# Altium PCB 1010829PA_HVFlyback_GD_Testboard.PcbDoc (part 1 of 2)
Units mm, origin at the board's own origin, x right, y up, seen from the top; angles counter-clockwise.
Board outline 180 x 150 mm, 2 copper layers (Top Layer, Bottom Layer), stack 1.57 mm thick; 196 components, 91 nets, 468 pads, 191 vias.
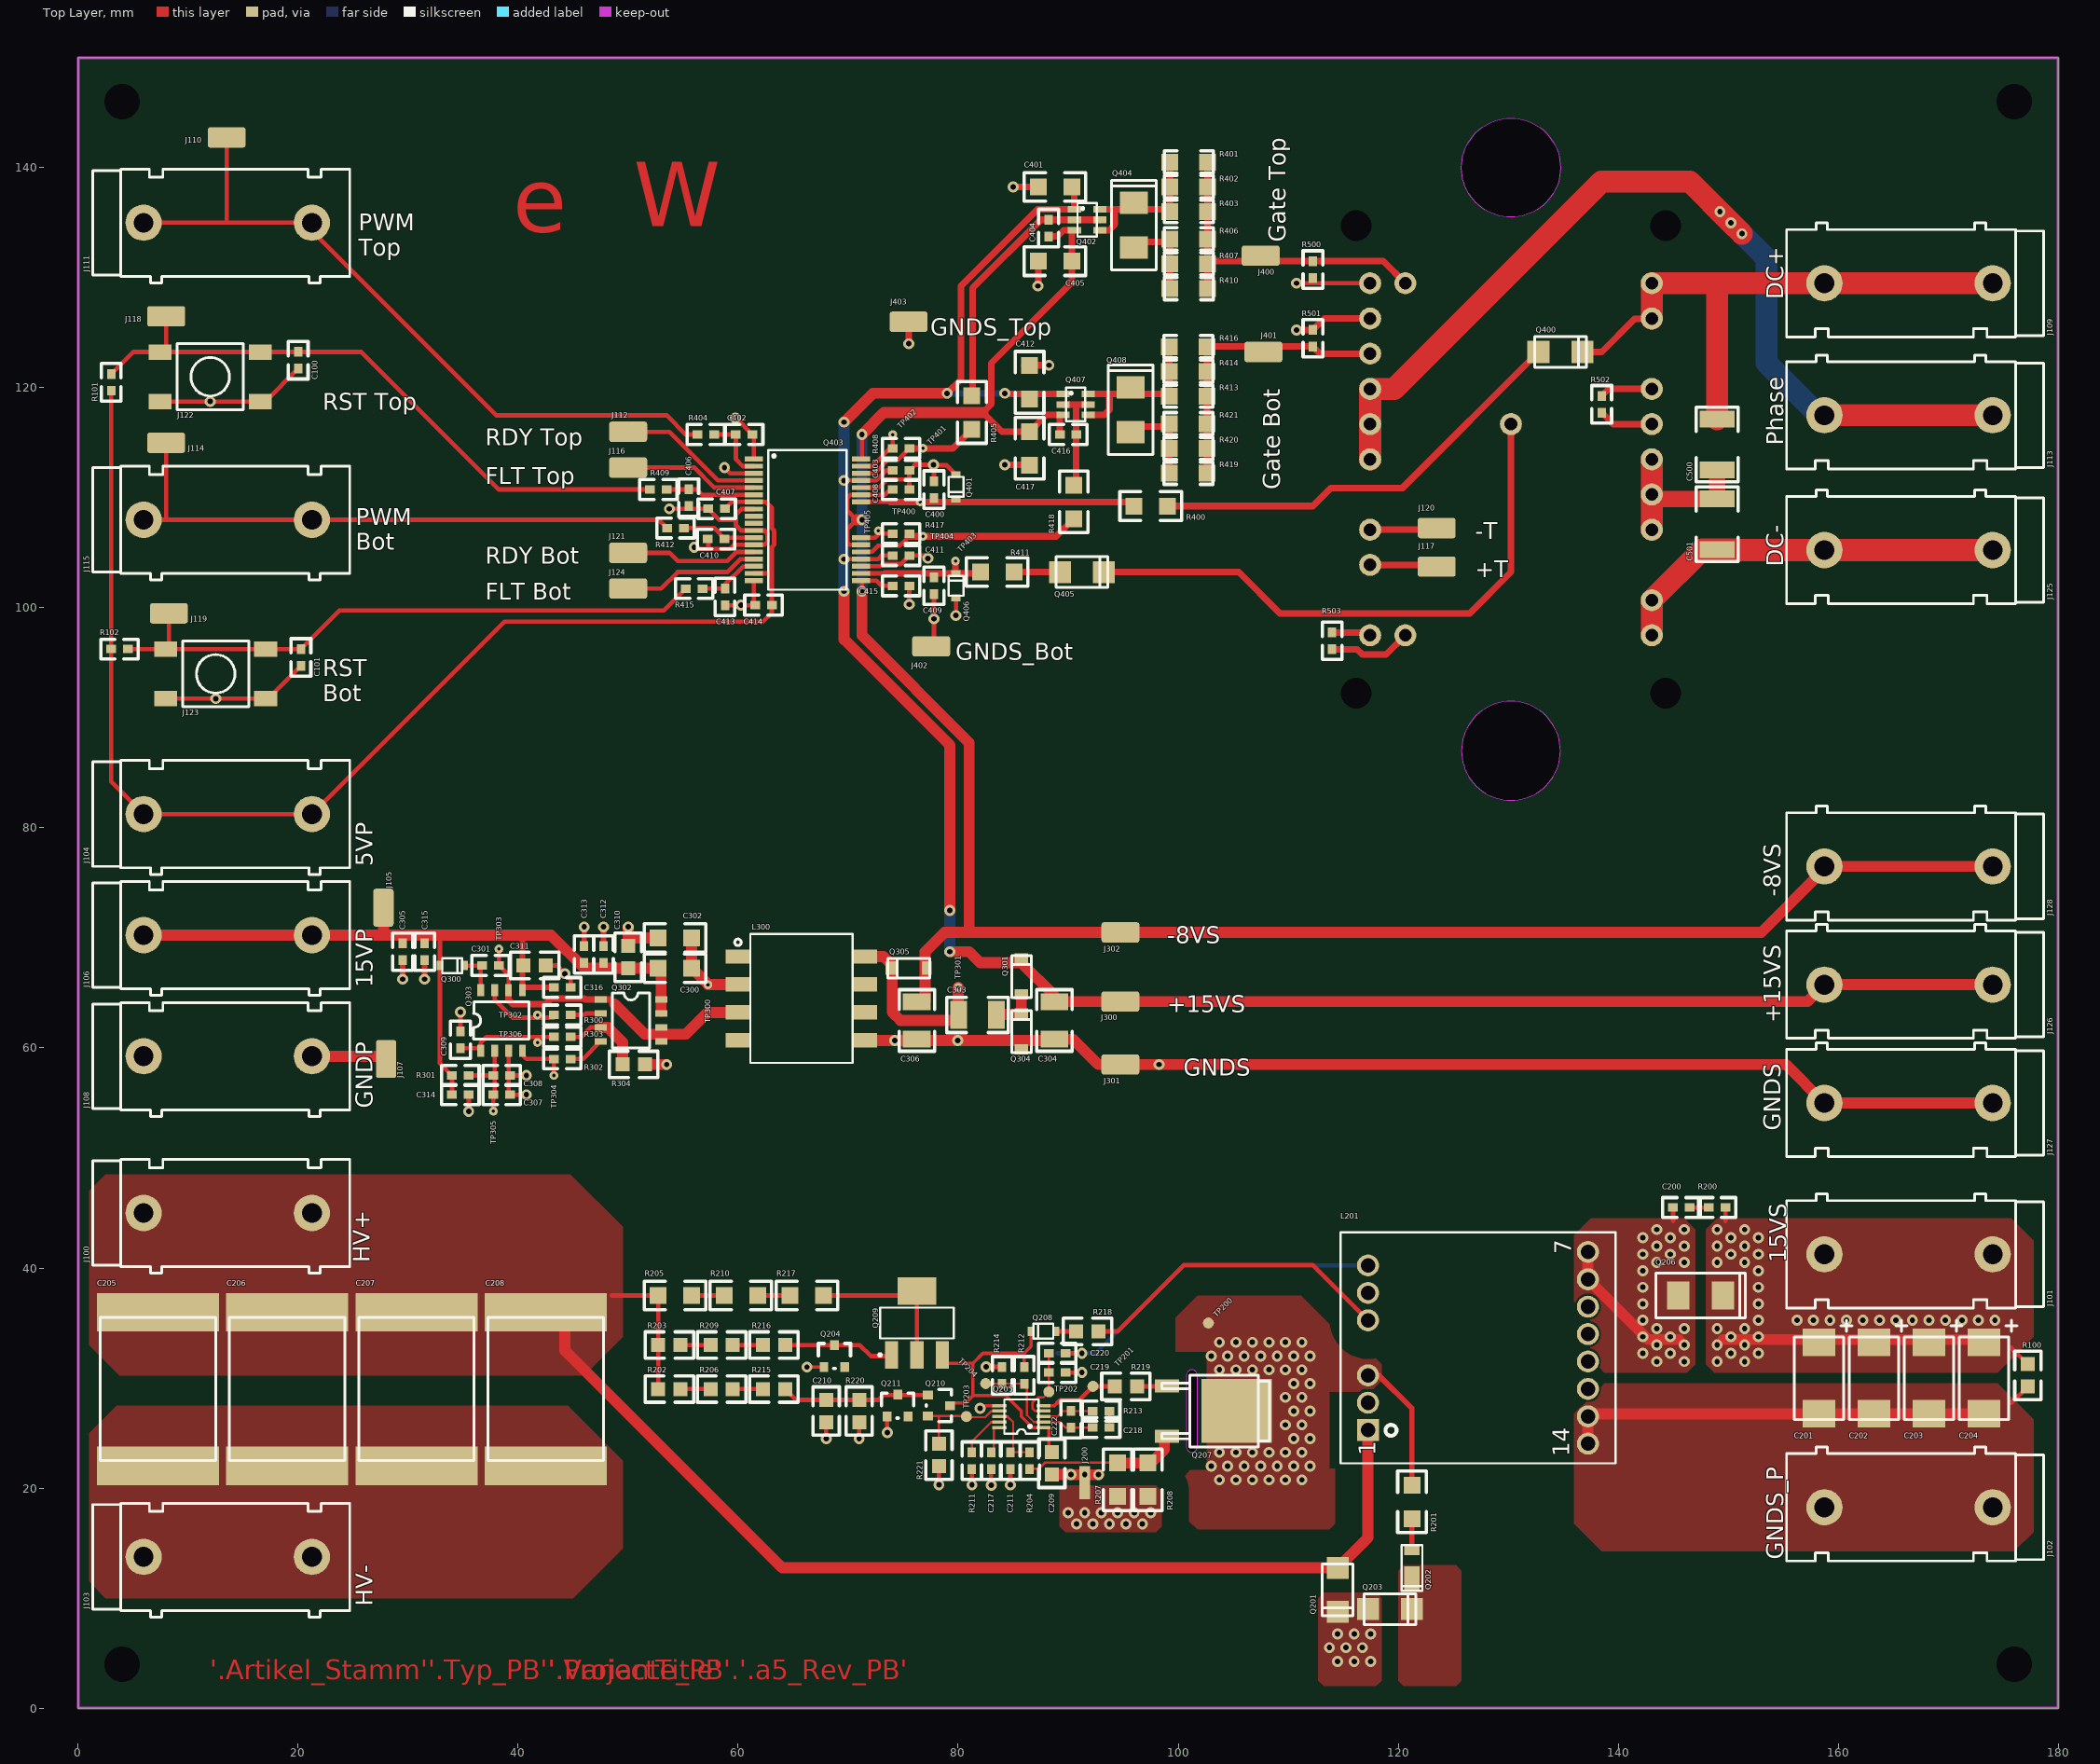
[diagram p0: Top Layer view]
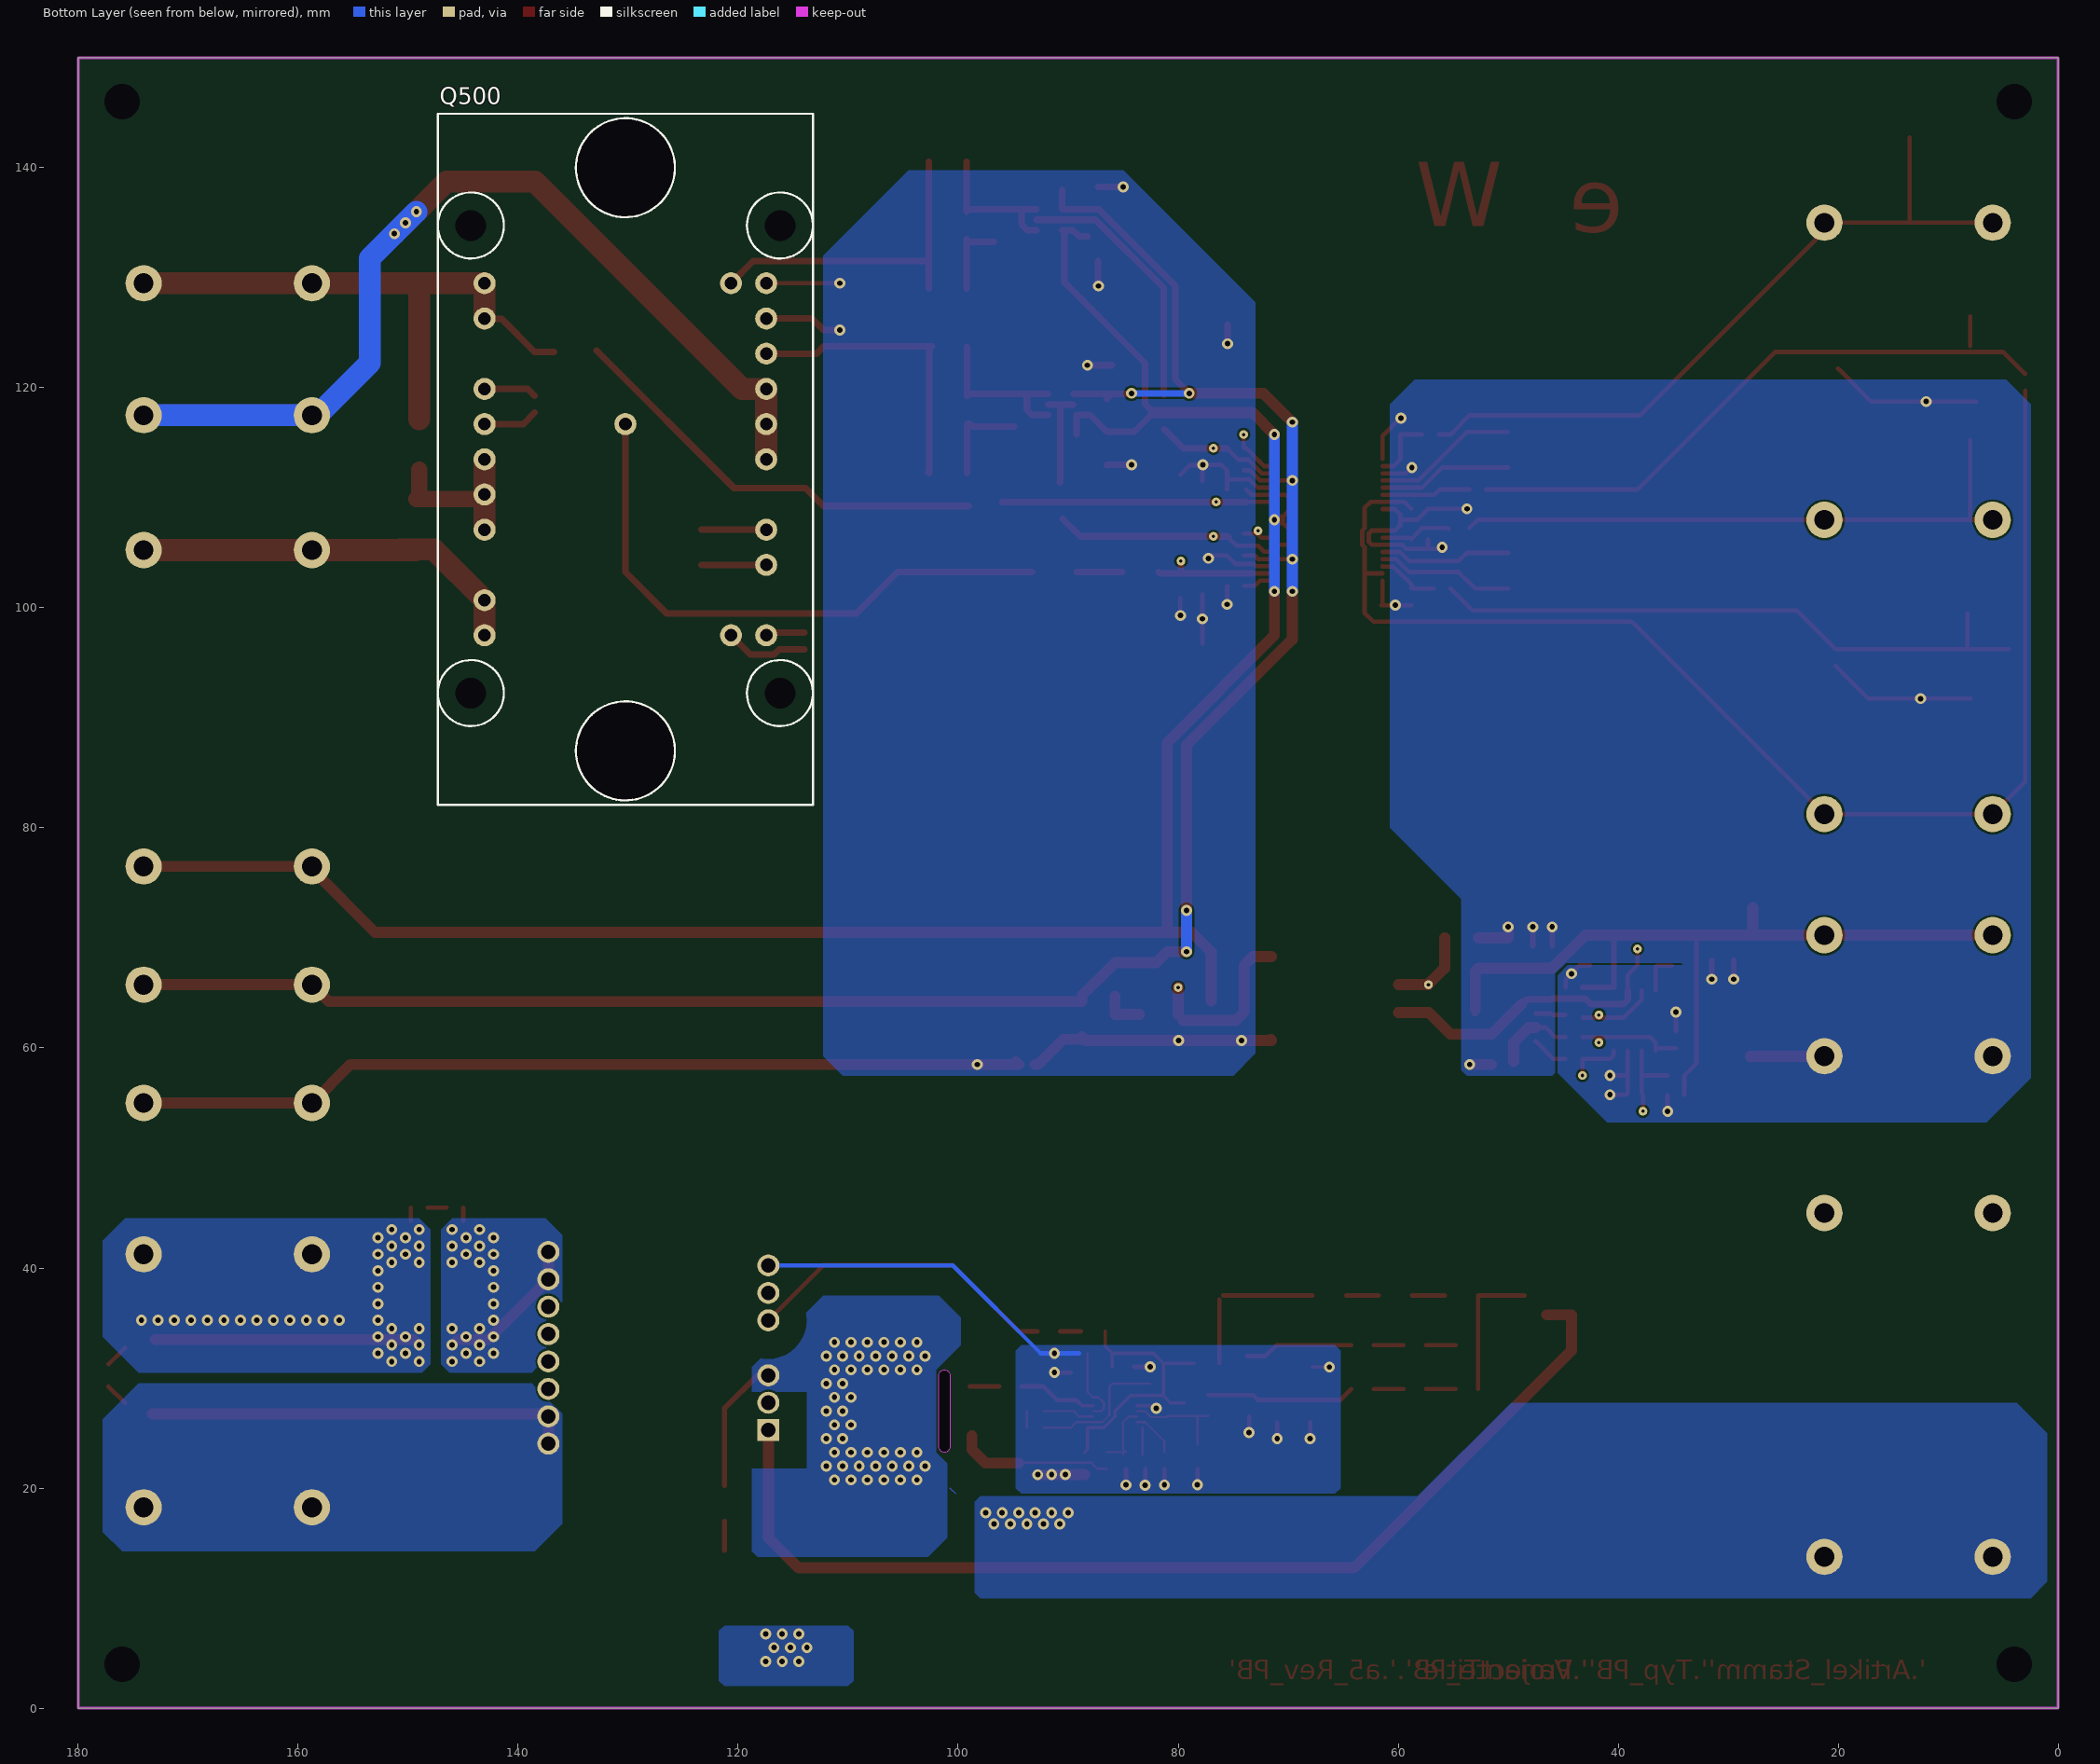
[diagram p1: Bottom Layer view, seen from below]
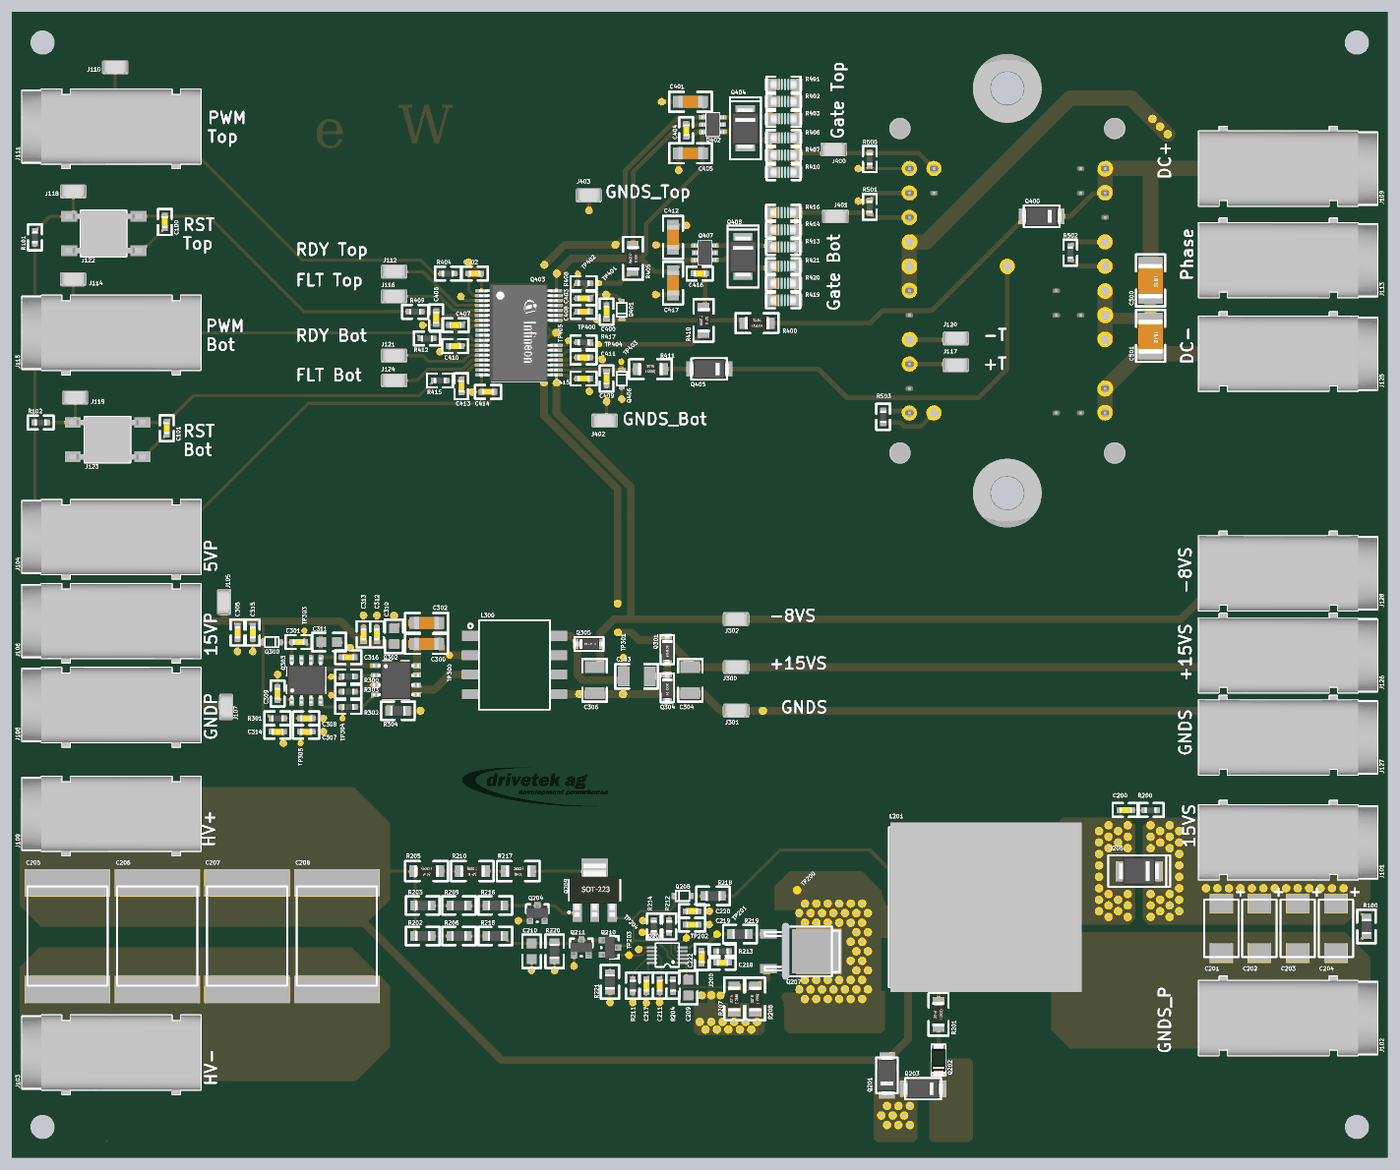
[diagram p3: 3D render of the assembled board from above, using the file's embedded part models]

## Layer stack, top to bottom
Top Solder Mask: solder mask 0.01, Solder Resist, Dk 3.5
Top Layer: signal copper 0.035
Dielectric1: core 1.5, FR-4, Dk 4.2
Bottom Layer: signal copper 0.035
Bottom Solder Mask: solder mask 0.01, Solder Resist, Dk 3.5

## Board outline
0,0 0,150 180,150 180,0
cut-out: 100.75,23.75 ccw(c101.25,23.75) 101.75,23.75 101.75,30.25 ccw(c101.25,30.25) 100.75,30.25

## Design rules (kind name [scope] priority, off if disabled: settings)
Clearance "Switching Node" [(InNetClass('HV') or InNetClass('DC-') or InNetClass('DC+') or InNetClass('DC/2') or InNetClass('SEC_GD')) and (ObjectKind = 'Pad') And (Component = 'Q207') vs (ObjectKind = 'Pad') And (Component = 'Q207')] p1: gap=2 ignorepadtopadclearanceinfootprint=FALSE except(0: Arc-Hole Track-Hole SMDPad-Hole THPad-Hole Via-Hole Fill-Hole Poly-Hole Region-Hole Text-Hole) // 03_PG-TO252-3-11
Clearance "AC pin exception" [InNetClass('AC') vs InNetClass('AC-u')] p2: gap=0.5 ignorepadtopadclearanceinfootprint=FALSE except(0: Arc-Hole Track-Hole SMDPad-Hole THPad-Hole Via-Hole Fill-Hole Poly-Hole Region-Hole Text-Hole)
Clearance "AC pin" [InNetClass('AC') vs InAnyNet and not( InNetClass('AC-u') or InNetClass('SEC_GD'))] p3: gap=2.5 ignorepadtopadclearanceinfootprint=FALSE except(0: Arc-Hole Track-Hole SMDPad-Hole THPad-Hole Via-Hole Fill-Hole Poly-Hole Region-Hole Text-Hole)
Clearance "X_1 HV_SW <-> HV" [(InNetClass('HV') or InNetClass('DC-') or InNetClass('DC+')) and not InNetClass('HV_SW-u') vs InNetClass('HV_SW')] p4: gap=2.5 ignorepadtopadclearanceinfootprint=FALSE except(0: Arc-Hole Track-Hole SMDPad-Hole THPad-Hole Via-Hole Fill-Hole Poly-Hole Region-Hole Text-Hole)
Clearance "X - HV <-> LV" [InNetClass('HV') or InNetClass('DC-') or InNetClass('DC+') or InNetClass('DC/2') or InNetClass('SEC_GD') vs InAnyNet and not( InNetClass('HV') or InNetClass('DC-') or InNetClass('DC+') or InNetClass('DC/2') or InNetClass('SEC_GD') or InNetClass('AC') )] p5: gap=2.5 ignorepadtopadclearanceinfootprint=FALSE except(0: Arc-Hole Track-Hole SMDPad-Hole THPad-Hole Via-Hole Fill-Hole Poly-Hole Region-Hole Text-Hole)
Clearance "E - DC+ <-> DC-" [InNetClass('DC+') vs InNetClass('DC-')] p6: gap=2.5 ignorepadtopadclearanceinfootprint=FALSE except(0: Arc-Hole Track-Hole SMDPad-Hole THPad-Hole Via-Hole Fill-Hole Poly-Hole Region-Hole Text-Hole)
Clearance "G - DC+ <-> AC" [InNetClass('DC+') or InNetClass('DC-') vs InNetClass('AC')] p7: gap=2.5 ignorepadtopadclearanceinfootprint=FALSE except(0: Arc-Hole Track-Hole SMDPad-Hole THPad-Hole Via-Hole Fill-Hole Poly-Hole Region-Hole Text-Hole)
Clearance "F - DC/2 <-> DC+/-" [InNetClass('DC+') or InNetClass('DC-') vs InNetClass('DC/2')] p8: gap=2.5 ignorepadtopadclearanceinfootprint=FALSE except(0: Arc-Hole Track-Hole SMDPad-Hole THPad-Hole Via-Hole Fill-Hole Poly-Hole Region-Hole Text-Hole)
Clearance Clearance_Via [IsVia vs IsPad] p9: gap=0.2 ignorepadtopadclearanceinfootprint=FALSE except(0: Arc-Hole Track-Hole SMDPad-Hole THPad-Hole Via-Hole Fill-Hole Poly-Hole Region-Hole Text-Hole) // Give Clearance for Same Net Via / Pads to prevent solder removal due to missing Resist
Clearance "Clearance Testpoint" [TestpointBottom vs TestpointBottom] p10: gap=1.5 ignorepadtopadclearanceinfootprint=FALSE except(0: Arc-Hole Track-Hole SMDPad-Hole THPad-Hole Via-Hole Fill-Hole Poly-Hole Region-Hole Text-Hole) // With dia 1mm Testpoints, this gives a Clearance from Center to Center of 2.5mm
Clearance [All] p11: gap=0.2 ignorepadtopadclearanceinfootprint=FALSE except(0: Arc-Hole Track-Hole SMDPad-Hole THPad-Hole Via-Hole Fill-Hole Poly-Hole Region-Hole Text-Hole)
Clearance Clearance_Board_Edge [All vs OnLayer('Keep-Out Layer')] p12: gap=0.5 ignorepadtopadclearanceinfootprint=FALSE except(0: Arc-Hole Track-Hole SMDPad-Hole THPad-Hole Via-Hole Fill-Hole Poly-Hole Region-Hole Text-Hole) // Clearance Copper to Board Edge
ComponentClearance [All] p1: gap=0.4 collisioncheckmode=3 verticalgap=0.4 showdistances=FALSE
Height "Height BOTTOM" [OnLayer('Bottom Layer')] p1: minheight=0 maxheight=20 prefheight=10
Height "Height TOP" [OnLayer('Top Layer')] p2: minheight=0 maxheight=100 prefheight=100
HoleSize [All] p1: absolutevalues=TRUE maxlimit=100 minlimit=0.3 maxpercent=80.000 minpercent=20.000
HoleSize Testpoint [All] p2: absolutevalues=TRUE maxlimit=2.54 minlimit=0.025 maxpercent=80.000 minpercent=20.000
HoleSize TestPointUsage [All] p3: absolutevalues=TRUE maxlimit=2.54 minlimit=0.025 maxpercent=80.000 minpercent=20.000
HoleToHoleClearance [All] p1: gap=0.2 allowstackedmicrovias=TRUE
MinimumAnnularRing [IsVia  Or PadIsPlated] p1: minimumring=0.2
MinimumSolderMaskSliver [All vs Not IsTrack] p1: minsoldermaskwidth=0.1
PlaneClearance [All] p1: clearance=0.5
PlaneConnect [All] p1: planeconnectstyle=Relief reliefexpansion=0.5 reliefentries=4 reliefconductorwidth=0.25 reliefairgap=0.25
PolygonConnect PolygonConnect_Power [InNetClass('power')] p1: connectstyle=Direct reliefconductorwidth=1 reliefentries=4 polygonreliefangle="45 Angle" airgapwidth=0.254
PolygonConnect PolygonConnect_VIA [(ObjectKind = 'Via')] p2: connectstyle=Direct reliefconductorwidth=0.254 reliefentries=4 polygonreliefangle="90 Angle" airgapwidth=0.254
PolygonConnect [All] p3: connectstyle=Direct reliefconductorwidth=0.5 reliefentries=4 polygonreliefangle="45 Angle" airgapwidth=0.254
RoutingCorners [All] p1: cornerstyle=45-Degree minsetback=1 maxsetback=25
RoutingVias [All] p1: holewidth=0.3 width=0.7 viastyle="Through Hole" minholewidth=0.3 minwidth=0.7 maxholewidth=1.5 maxwidth=2
SolderMaskExpansion SolderMaskExpansion_VIA [IsVia] p1: expansion=0 // Give Smaller Expansion for Via's possible to have smaller distance to same net pads
SolderMaskExpansion [All] p2: expansion=0.05
ViasUnderSMD [All] p1: allowed=FALSE
Width [All] p1: maxlimit=5 minlimit=0.2 preferedwidth=0.2
22 further rules are at their usual default settings.

## Classes and differential pairs
net class AC-u: NetJ401_1
net class SEC_GD: +15VS_BOT -8VS_BOT DC+ DC- DC/2 GNDS_BOT NetC303_1 NetC303_2 NetC400_1 NetC404_1 NetC409_1 NetC416_1 NetJ400_1 NetJ401_1 NetQ400_2 NetQ402_4 NetQ403_23 NetQ403_25 NetQ403_34 NetQ403_35 NetQ404_2 NetQ405_1 NetQ405_2 NetQ407_4 NetQ408_2 NetQ500_E3 NetQ500_E4 NetQ500_G3 NetQ500_G4
net class HV_SW-u: NetQ202_2
net class HV_SW: NetL201_3
net class HV: GNDP_D_HV GNDP_P_HV NetC205_1 NetC209_1 NetC210_1 NetC211_1 NetC217_1 NetC218_1 NetC218_2 NetC219_1 NetC222_1 NetL201_2 NetL201_3 NetL201_4 NetQ201_1 NetQ202_1 NetQ202_2 NetQ204_3 NetQ205_5 NetQ205_7 NetQ205_9 NetQ207_1 NetQ207_3 NetQ208_2 NetQ209_2 NetR202_1 NetR203_1 NetR205_1 NetR206_1 NetR209_1 NetR210_1
net class DC/2: DC/2 NetQ500_E3
net class DC-: DC- GNDP_P_HV NetQ500_E4
net class DC+: DC+ NetC205_1
net class C: NetQ405_1
component class U_1010829PA_HVFlyback_GD_Testboard_PowerStage: C500 C501 Q500 R500 R501 R502 R503
component class "Gate Drive Supply": C300 C301 C302 C303 C304 C305 C306 C307 C308 C309 C310 C311 C312 C313 C314 C315 C316 J300 J301 J302 L300 Q300 Q302 Q303 R300 R301 R302 R303 R304 TP300 TP301 TP302 TP303 TP304 TP305 TP306
net class AC: GNDS_BOT NetJ113_1
component class U_1010829PA_HVFlyback_GD_Testboard_GateDrive: C400 C401 C402 C403 C404 C405 C406 C407 C408 C409 C410 C411 C412 C413 C414 C415 C416 C417 J400 J401 J402 J403 Q400 Q401 Q402 Q403 Q404 Q405 Q406 Q407 Q408 R400 R401 R402 R403 R404 R405 R406 R407 R408 R409 R410 R411 R412 R413 R414 R415 R416 R417 R418 R419 R420 R421 TP400 TP401 TP402 TP403 TP404 TP405
component class 1010829PA_HVFlyback_GD_Testboard_Overview: C100 C101 J100 J101 J102 J103 J104 J105 J106 J107 J108 J109 J110 J111 J112 J113 J114 J115 J116 J117 J118 J119 J120 J121 J122 J123 J124 J125 J126 J127 J128 R100 R101 R102
component class Flyback: C200 C201 C202 C203 C204 C205 C206 C207 C208 C209 C210 C211 C217 C218 C219 C220 C222 J200 L201 Q201 Q202 Q203 Q204 Q205 Q206 Q207 Q208 Q209 Q210 Q211 R200 R201 R202 R203 R204 R205 R206 R207 R208 R209 R210 R211 R212 R213 R214 R215 R216 R217 R218 R219 R220 R221 TP200 TP201 TP202 TP203 TP204
